# KiCad board gpu-external-power-supply.kicad_pcb (continued)
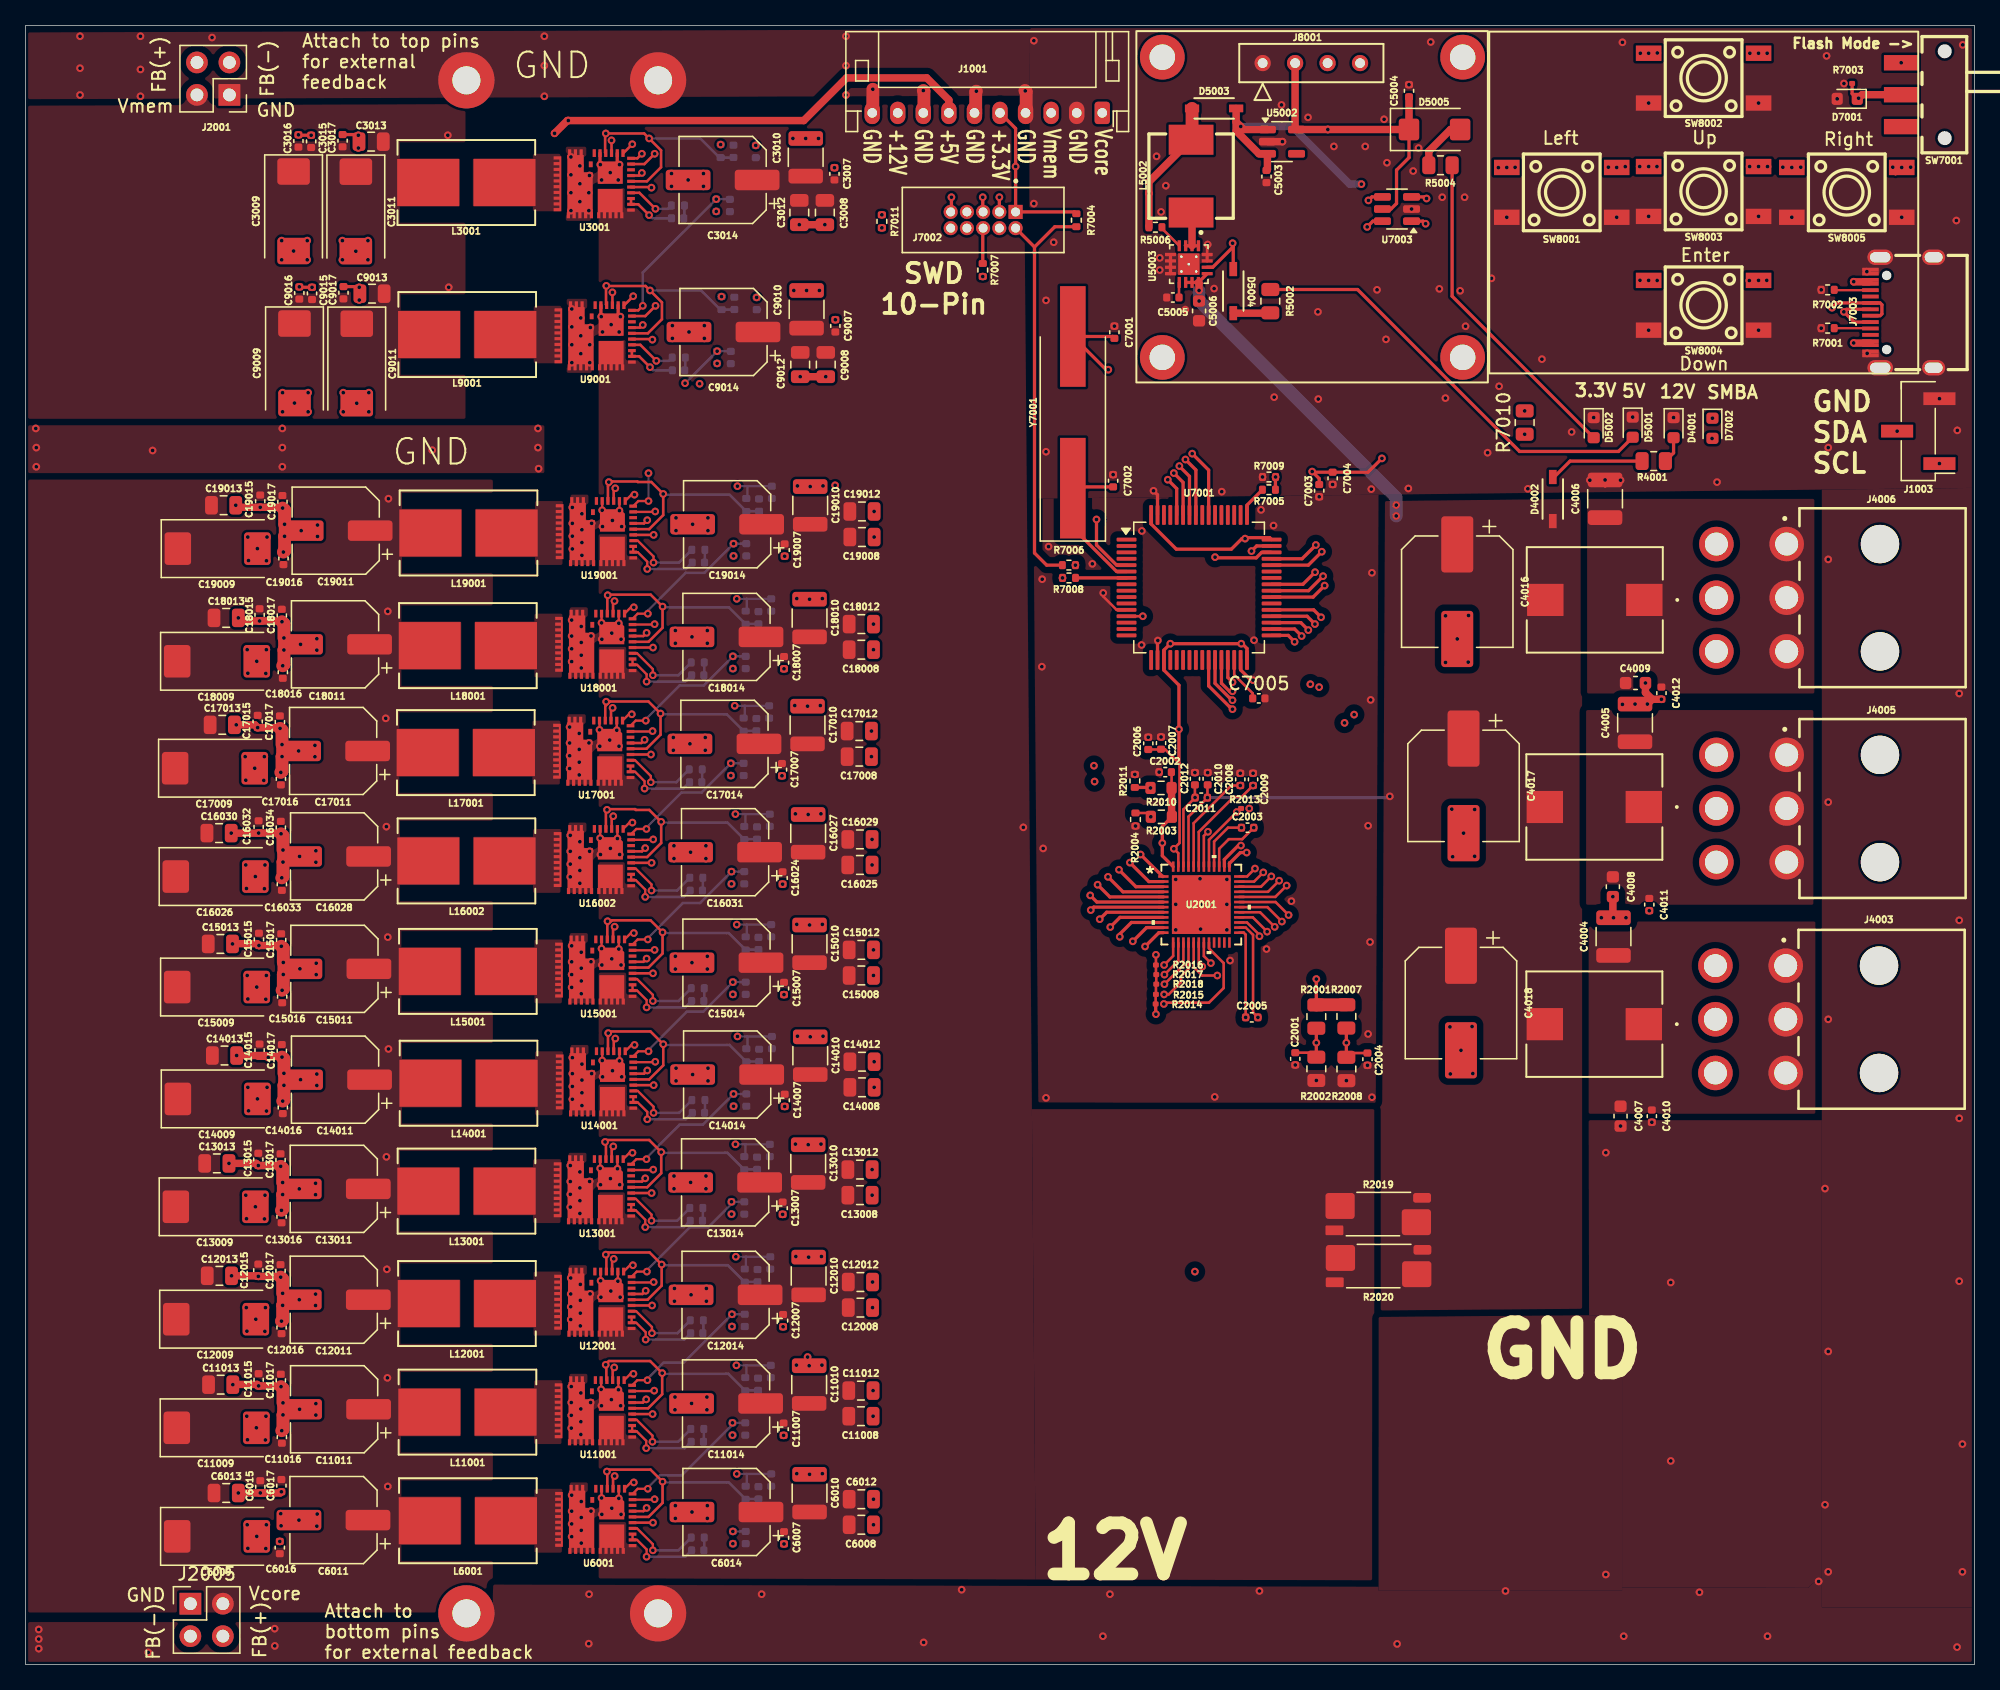
[diagram p0: board, top side]
## Nets (continued)
Net-(U13001-BOOT): R13002.1 U13001.33
Net-(U13001-VCC): C13004.1 R13001.2 U13001.3
Net-(U13001-VSWH): L13001.1 U13001.10
Net-(U14001-BOOT): R14002.1 U14001.33
Net-(U14001-VCC): C14004.1 R14001.2 U14001.3
Net-(U14001-VSWH): L14001.1 U14001.10
Net-(U15001-BOOT): R15002.1 U15001.33
Net-(U15001-VCC): C15004.1 R15001.2 U15001.3
Net-(U15001-VSWH): L15001.1 U15001.10
Net-(U16002-BOOT): R16004.1 U16002.33
Net-(U16002-VCC): C16021.1 R16003.2 U16002.3
Net-(U16002-VSWH): L16002.1 U16002.10
Net-(U17001-BOOT): R17002.1 U17001.33
Net-(U17001-VCC): C17004.1 R17001.2 U17001.3
Net-(U17001-VSWH): L17001.1 U17001.10
Net-(U18001-BOOT): R18002.1 U18001.33
Net-(U18001-VCC): C18004.1 R18001.2 U18001.3
Net-(U18001-VSWH): L18001.1 U18001.10
Net-(U19001-BOOT): R19002.1 U19001.33
Net-(U19001-VCC): C19004.1 R19001.2 U19001.3
Net-(U19001-VSWH): L19001.1 U19001.10

Pads without a net: J7002 7 8; J7003 A8 B8; SW7001 3; U2001 21 22 23 24; U3001 6 37 41; U5002 4; U6001 6 37 41; U7001 1 54; U9001 6 37 41; U11001 6 37 41; U12001 6 37 41; U13001 6 37 41; U14001 6 37 41; U15001 6 37 41; U16002 6 37 41; U17001 6 37 41; U18001 6 37 41; U19001 6 37 41

## Via types
v1: diameter 0.6, hole 0.3, Top to Bottom, 1023 vias

## Routing (per net, layer and track width the routed paths; a pad name or vN(x,y) marks a point on that pad's centre or on a via; arc(x,y) is an arc through that point)
+3.3V: length 307.1
  Top w0.2: U2001.47 90.19,63.5 v1(89.84,63.85) 90.29,64.3 90.29,70.5 89.15,71.64 C2007.1 88.82,71.62 C2006.1 ; 86.14,82.05 v1(87.42,82.05) ; R2014.1 88.42,52.43 R2015.1 88.44,53.22 R2018.1 R2017.1 88.44,54.02 R2016.1 v1(88.44,55.55)
  Top w0.254: v1(106.12,94.41) 105.04,93.32 100.71,93.32 v1(100.67,93.38) 101.21,92.82 C7003.1 ; U7001.32 95.56,79.52 95.19,79.9 v1(95.11,79.9) v1(89.57,79.9) 89.06,79.4 U7001.19 89.06,77.83 90.24,76.65 v1(90.24,73.2) 90.24,70.55 90.29,70.5 ; J1001.5 77.46,120.23 v1(77.46,117.25) J7002.1 82.08,113.7 R7004.1 ; R2014.1 88.42,50.92 v1(88.44,50.9) ; 100.99,53.7 v1(100.99,53.65) R2001.1 ; U7003.5 106.83,113.92 107.27,114.36 107.27,116.97 108.24,117.95 D5005.1 ; U7001.64 88.06,89.27 90.04,87.3 94.34,87.3 95.17,88.12 v1(95.42,88.12) 95.49,88.2 97.34,88.2 U7001.48
  Top w0.58: J8001.2 99.33,120.26 U5002.5 v1(101.89,120.15) D5005.1 C5004.1
  Top w1: R2007.1 101,51.64 R2001.1
  In2.Cu w0.18: v1(67,113.47) 68.87,115.34 76.39,115.34 77.46,114.27 J7002.1
  In2.Cu w0.2: v1(87.42,82.05) v1(89.57,79.9)
  In2.Cu w0.254: v1(77.46,117.25) 78.88,118.67 100.41,118.67 ; v1(95.74,67) 96.57,67.83 96.57,70.22 94.44,72.35 91.09,72.35 90.29,73.15 ; 100.41,118.67 102.68,116.4 102.68,95.39 102.05,94.76 102.05,94.67 101.96,94.67 v1(100.67,93.38) v1(95.42,88.12) 95.11,87.82 v1(95.11,79.9) ; 100.41,118.67 v1(101.89,120.15)
  In4.Cu w0.2: v1(89.84,63.85) 88.44,62.45 v1(88.44,55.55)
  In4.Cu w0.254: v1(146.75,125.38) 148.02,124.11 148.02,116.98 147.77,116.73 147.77,95.94 118.97,95.94 117.7,97.21 108.93,97.21 v1(106.12,94.41) ; v1(91.49,30.75) 88.44,33.8 v1(88.44,50.9) 90.93,50.9 91.48,51.45 99.19,51.45 100.99,53.25 v1(100.99,53.65)
  vias: v1(131.95,95.96)
/+5V: length 456.3
  Top w0.2: U11001.4 45.44,22.3 45.44,23.41 v1(45.39,23.46) 45.39,23.5 45.64,23.75 48.86,23.75 v1(49.81,22.81) 49.81,21.15 48.71,20.05 U11001.35 ; U18001.35 48.74,80.05 49.84,81.15 v1(49.84,82.81) 48.91,83.74 45.59,83.74 v1(45.55,83.69) 45.52,83.66 U18001.4 ; U19001.4 45.56,92.24 45.92,92.6 47.87,92.6 47.91,92.56 48.96,92.56 v1(49.89,91.62) 49.89,89.97 48.79,88.87 U19001.35 ; U13001.4 45.41,40.73 45.34,40.79 v1(45.34,40.9) 45.49,41.05 48.79,41.05 v1(49.73,40.11) 49.73,38.45 48.63,37.35 U13001.35 ; U6001.35 48.74,11.55 49.84,12.65 v1(49.84,14.31) 48.9,15.25 45.63,15.25 v1(45.48,15.1) 45.48,14.96 45.52,14.92 U6001.4 ; U15001.4 45.52,57.92 45.53,57.94 v1(45.53,58.18) 45.81,58.18 45.88,58.25 48.9,58.25 v1(49.84,57.31) 49.84,55.65 48.74,54.55 U15001.35 ; U17001.35 48.58,71.68 49.68,72.78 v1(49.68,74.43) 48.74,75.38 45.72,75.38 45.36,75.01 U17001.4 ; 47.37,116.09 48.62,116.09 49.72,117.2 49.72,118.52 v1(48.79,119.45) 48.4,119.84 v1(45.4,119.84) 45.34,119.79 45.34,118.35 U3001.4 ; 45.41,107.89 v1(45.44,107.91) ; 45.41,107.89 45.43,107.9 48.51,107.9 v1(48.86,107.55) 49.79,106.62 49.79,105.3 48.69,104.19 U9001.35 ; 45.41,107.89 45.41,106.45 U9001.4 ; U12001.4 45.44,31.92 45.4,31.97 v1(45.4,32.08) 45.57,32.25 48.82,32.25 v1(49.77,31.31) 49.77,29.65 48.67,28.55 U12001.35 ; U14001.35 48.79,45.79 49.89,46.9 v1(49.89,48.55) 48.89,49.55 45.72,49.55 v1(45.59,49.42) 45.59,49.19 45.57,49.17 U14001.4 ; U16002.4 45.41,66.81 45.54,66.95 47.69,66.95 47.75,66.89 48.8,66.89 v1(49.73,65.95) 49.73,64.3 48.63,63.2 U16002.35
  Top w0.254: J1001.7 72.24,122.03 ; D5004.1 94.49,111.2 v1(94.44,111.25) 94.44,110.93 92.88,109.36 U5003.14
  Top w0.58: R5006.2 v1(87.89,115.15) 87.89,116.05 L5002.2 ; J1001.7 72.24,122.46 70.51,124.19 64.23,124.19 60.89,120.85 v1(42.46,120.85) 42.39,120.85 v1(41.39,119.85)
  Top w1: L5002.2 91.27,119.42 D5003.2
  In2.Cu w0.254: v1(45.48,15.1) 41.39,15.1 41.39,15.1 ; v1(41.39,119.85) 41.4,119.84 v1(45.4,119.84) ; v1(87.89,115.15) 89.24,115.15 93.14,111.25 v1(94.44,111.25) ; 41.39,23.45 41.4,23.46 v1(45.39,23.46) ; 41.39,40.95 41.44,40.9 v1(45.34,40.9) ; v1(45.63,92.55) 41.59,92.55 41.39,92.35 ; v1(45.59,49.42) 45.55,49.46 41.43,49.46 41.39,49.5 ; v1(45.53,58.18) 41.41,58.18 41.39,58.2 ; v1(45.42,75.36) 45.41,75.35 41.39,75.35 ; v1(45.44,107.91) 41.4,107.91 41.39,107.9 ; 41.39,66.85 41.44,66.9 v1(45.49,66.9) ; 41.39,32.05 41.42,32.08 v1(45.4,32.08) ; 41.39,83.5 41.58,83.69 v1(45.55,83.69) ; J1001.7 72.24,121
  In2.Cu w0.58: v1(87.89,115.15) 78.09,115.15 72.24,121
  In2.Cu w1: v1(41.39,119.85) 41.39,118.9 ; v1(41.39,119.85) 41.39,118.9 ; v1(41.39,119.85) 42.39,120.85 v1(42.46,120.85) ; 41.39,118.9 41.39,15.1
  Bottom w0.2: v1(49.84,14.31) 49.9,14.25 55.02,14.25 R6001.1 56.36,12.95 C6002.1 ; R9001.1 55.44,106.05 C9002.1 ; R9001.1 54.36,106.05 52.86,107.55 v1(48.86,107.55) ; R9001.1 54.46,106.06 ; C18002.1 56.36,81.45 R18001.1 55.02,82.75 49.9,82.75 v1(49.84,82.81) ; v1(49.73,65.95) 49.79,65.9 54.91,65.9 R16003.1 56.25,64.6 C16019.1 ; v1(48.79,119.45) 52.79,119.45 54.29,117.95 R3001.1 ; v1(49.77,31.31) 49.82,31.25 54.95,31.25 R12001.1 56.29,29.95 C12002.1 ; v1(49.81,22.81) 49.86,22.75 54.99,22.75 R11001.1 56.33,21.45 C11002.1 ; v1(49.68,74.43) 49.74,74.38 54.86,74.38 R17001.1 56.2,73.08 C17002.1 ; v1(49.89,48.55) 49.95,48.49 55.08,48.49 R14001.1 56.41,47.2 C14002.1 ; v1(49.73,40.11) 49.79,40.05 54.92,40.05 R13001.1 56.25,38.75 C13002.1 ; v1(49.84,57.31) 49.9,57.25 55.02,57.25 R15001.1 56.36,55.95 C15002.1 ; v1(49.89,91.62) 49.95,91.57 55.07,91.57 R19001.1 56.41,90.27 C19002.1 ; C3002.1 55.37,117.95 R3001.1 ; 54.39,117.96 R3001.1
/+12V: length 47.9
  Top w0.2: U2001.45 90.99,66.37 v1(92.47,67.85) 92.47,68.83 C2010.1
  Top w0.254: U5003.10 U5003.12 U5003.13
  Top w0.58: v1(91.81,107.55) 91.81,108.13 U5003.12
  Bottom w0.254: v1(106.74,67.95) 106.64,67.85 v1(92.47,67.85)
  Bottom w1: 91.89,106.7 91.89,106.67 107.24,91.32 v1(107.24,90.75) v1(107.24,89.9) ; v1(91.81,107.55) v1(91.81,106.72)
GND: length 155.9
  Top w0.18: U13001.2 v1(46.31,38.8) 46.31,38.58 v1(45.76,38.03) v1(44.96,38.83) U13001.5 ; U14001.5 v1(45.12,47.27) v1(45.92,46.47) 46.47,47.02 v1(46.47,47.24) U14001.2 ; U19001.5 v1(45.11,90.35) v1(45.91,89.55) 46.46,90.1 v1(46.46,90.32) U19001.2 ; U15001.5 v1(45.06,56.03) v1(45.86,55.23) 46.41,55.78 v1(46.41,56) U15001.2 ; U18001.5 v1(45.06,81.53) v1(45.86,80.73) 46.41,81.28 v1(46.41,81.5) U18001.2 ; U6001.2 v1(46.41,13) 46.41,12.78 v1(45.86,12.23) v1(45.06,13.03) U6001.5 ; U11001.2 v1(46.38,21.5) 46.38,21.28 v1(45.83,20.73) v1(45.03,21.53) U11001.5 ; U12001.5 v1(44.99,30.03) v1(45.79,29.23) 46.34,29.78 v1(46.34,30) U12001.2 ; U17001.2 v1(46.26,73.13) 46.26,72.91 v1(45.71,72.36) v1(44.91,73.16) U17001.5 ; U16002.2 v1(46.31,64.65) 46.31,64.43 v1(45.76,63.88) v1(44.96,64.68) U16002.5
  Top w0.2: v1(92.49,111.15) 92.45,111.11 U5003.16 ; 123.58,92.19 124.55,93.17 ; v1(84.31,83.88) 84.31,83.6 85.37,82.55 86.14,82.55 ; 124.44,41.97 124.61,41.97 v1(124.79,42.14) ; 124.11,58.94 124.11,58.77
  Top w0.254: U9001.2 46.36,105.67 v1(46.54,105.5) ; 20,47.6 v1(20.06,47.54) ; J7002.5 74.89,113.73 v1(74.89,114.85) ; v1(76.19,114.85) 76.19,113.7 ; C3017.2 25.98,119.75 v1(26.04,119.7) ; U7001.63 88.56,91.56 v1(88.25,91.87) ; v1(45.04,105.5) 45.02,105.52 U9001.5 ; U7001.18 88.56,80.12 v1(88.59,80.15) ; 95.99,77.05 v1(96.04,77.05) 95.87,77.05 95.06,77.85 U7001.31 ; v1(44.97,117.4) 44.94,117.42 U3001.5 ; U3001.2 46.3,117.57 v1(46.47,117.4) ; 19.95,56.28 v1(20.01,56.22) ; v1(21.42,107.83) 21.45,107.8 v1(22.41,107.8) ; v1(18.24,65.08) 18.66,65.08 ; v1(95.92,87.15) 96.31,87.55 U7001.47 ; 19.9,30.38 v1(19.96,30.32) ; 149.21,101.42 J7003.3 ; v1(72.44,114.85) 72.44,113.76 J7002.9 ; C9017.2 26.05,107.85 v1(26.11,107.8) ; 20,81.68 v1(20.06,81.62) ; v1(21.35,119.73) 21.38,119.7 v1(22.34,119.7) ; 18.53,81.68 v1(18.31,81.68) ; 19.9,39.05 v1(19.96,38.99) ; 18.83,47.67 v1(18.99,47.5) ; 19.93,65.08 v1(19.99,65.02) ; U5003.15 U5003.16 ; v1(18.36,13.42) 18.77,13.42 18.77,13.42 ; 19.93,21.8 v1(19.99,21.74) ; 19.85,73.33 v1(19.91,73.27) ; U5003.8 U5003.5 ; 20.05,90.58 v1(20.11,90.52)
  Top w0.58: v1(20.02,13.51) 19.92,13.42 v1(18.36,13.42) ; v1(16.65,81.92) 16.89,81.68 18.53,81.68 ; 16.54,65.07 18.23,65.07 v1(18.24,65.08) 19.93,65.08 ; 19.85,73.33 v1(18.16,73.33) 17.94,73.55 v1(16.49,73.55) ; 16.7,47.67 18.83,47.67 ; 19.95,56.28 v1(18.26,56.28) 18.12,56.42 16.65,56.42 ; 124.21,60.08 v1(124.19,60.1) 124.19,58.5 v1(124.24,58.45) ; v1(18.31,81.68) 20,81.68 ; 16.61,21.92 18.12,21.92 v1(18.24,21.8) 19.93,21.8 ; 127.27,75.55 v1(126.89,75.17) ; 127.27,75.55 v1(127.99,75.55) ; 127.27,75.55 126.74,76.07 v1(126.74,76.82) ; U5002.2 v1(98.34,119.2) ; v1(16.45,90.74) 16.61,90.58 v1(18.36,90.58) 20.05,90.58 ; v1(16.65,13.42) 18.77,13.42 ; 19.9,30.38 v1(18.21,30.38) 18.17,30.42 16.57,30.42 ; v1(60.54,112.7) v1(62.54,112.7) ; C14015.2 20,47.6 ; v1(60.61,100.8) v1(62.61,100.8) ; 19.9,39.05 v1(18.21,39.05) 18.04,39.22 v1(15.91,39.22)
  Top w1: v1(74.39,123.15) 74.34,123.1 74.34,121.4 74.29,121.35 74.29,121.1 ; v1(19.99,21.74) 20.14,21.59 v1(20.14,20.47) ; v1(20.06,72) 20.06,73.12 v1(19.91,73.27) ; v1(21.52,79.85) 20.66,79.85 v1(20.21,79.41) 20.21,78.27 v1(20.12,78.17) ; v1(21.44,19.97) 20.58,19.97 v1(20.14,19.53) 20.14,18.39 v1(20.05,18.3) ; v1(21.39,11.3) 21.39,11.13 ; v1(20.12,44.1) 20.21,44.19 v1(20.21,45.33) 20.66,45.77 v1(21.52,45.77) ; v1(20.02,26.87) 20.11,26.97 v1(20.11,28.11) 20.56,28.55 v1(21.41,28.55) ; v1(21.36,71.5) 20.51,71.5 v1(20.06,71.06) 20.06,69.92 v1(19.97,69.83) ; v1(19.99,65.02) 20.14,64.87 v1(20.14,63.75) ; v1(70.24,123.2) 70.29,123.15 70.29,121.1 ; v1(20.11,37.72) 20.11,38.84 v1(19.96,38.99) ; v1(20.06,47.54) 20.21,47.39 v1(20.21,46.27) ; 78.19,123.2 v1(78.21,123.17) 78.29,123.1 78.29,121.1 ; v1(20.27,89.25) 20.27,90.37 v1(20.11,90.52) ; v1(20.11,29.05) 20.11,30.17 v1(19.96,30.32) ; v1(20.01,56.22) 20.16,56.07 v1(20.16,54.95) ; v1(20.17,87.07) 20.27,87.17 v1(20.27,88.31) 20.71,88.75 v1(21.56,88.75) ; v1(21.46,54.45) 20.61,54.45 v1(20.16,54.01) 20.16,52.87 v1(20.07,52.77) ; 66.29,121.1 v1(66.29,123.3) ; v1(20.21,80.35) 20.21,81.47 v1(20.06,81.62) ; v1(21.44,63.25) 20.58,63.25 v1(20.14,62.81) 20.14,61.67 v1(20.05,61.57) ; v1(20.02,35.55) 20.11,35.64 v1(20.11,36.78) 20.56,37.22 v1(21.41,37.22)
  Bottom w0.2: 57.46,106.06 57.45,106.05 ; 57.39,117.96 57.38,117.95
  vias: v1(0.8,96.75) v1(0.84,95.25) v1(0.84,93.75) v1(1.03,2.74) v1(1.03,1.99) v1(1.03,1.24) v1(4.26,127.45) v1(4.26,124.95) v1(4.26,122.85) v1(8.99,127.45) v1(8.99,124.85) v1(8.99,122.75) v1(9.59,0.94) v1(9.94,95.02) v1(14.59,127.35) v1(16.09,65.07) v1(16.11,30.42) v1(16.19,56.4) v1(16.21,21.9) v1(16.52,47.67) v1(17.18,71.06) v1(17.23,69.22) v1(17.23,62.58) v1(17.28,60.74) v1(17.23,36.73) v1(17.29,34.89) v1(17.27,27.93) v1(17.31,19.43) v1(17.39,88.25) v1(17.34,79.43) v1(17.39,77.59) v1(17.34,53.93) v1(17.39,52.09) v1(17.39,45.18) v1(17.32,26.09) v1(17.36,17.59) v1(17.34,10.93) v1(17.39,9.09) v1(17.44,86.41) v1(17.45,43.33) v1(17.93,70.15) v1(17.98,61.67) v1(17.98,35.83) v1(18.09,78.52) v1(18.09,53.02) v1(18.02,27.02) v1(18.06,18.52) v1(18.09,10.02) v1(18.14,87.34) v1(18.14,44.27) v1(18.68,71.06) v1(18.64,69.2) v1(18.69,60.72) v1(18.69,34.87) v1(18.8,77.57) v1(18.73,62.58) v1(18.8,52.07) v1(18.73,36.73) v1(18.77,27.93) v1(18.72,26.07) v1(18.81,19.43) v1(18.77,17.57) v1(18.8,9.07) v1(18.89,88.25) v1(18.85,86.39) v1(18.84,79.43) v1(18.84,53.93) v1(18.89,45.18) v1(18.85,43.32) v1(18.84,10.93) v1(19.49,2.8) v1(19.5,1.45) v1(19.89,9.63) v1(19.96,11.8) v1(19.99,10.85) v1(20.04,111.45) v1(20.04,109.95) v1(20.11,99.55) v1(20.11,98.05) v1(20.09,96.75) v1(20.09,95.25) v1(20.09,93.75) v1(20.97,110.64) v1(21.04,98.74) v1(22.04,111.45) v1(22.04,109.95) v1(22.11,99.55) v1(22.11,98.05) v1(22.64,71.94) v1(22.64,71.05) v1(22.69,37.66) v1(22.69,36.77) v1(22.69,28.99) v1(22.69,28.1) v1(22.79,80.29) v1(22.79,79.4) v1(22.72,63.69) v1(22.72,62.8) v1(22.74,54.89) v1(22.74,54) v1(22.79,46.21) v1(22.79,45.32) v1(22.72,20.41) v1(22.72,19.52) v1(22.79,10.82) v1(22.84,89.19) v1(22.84,88.3) v1(22.81,11.78) v1(24.79,111.45) v1(24.79,109.95) v1(24.86,99.55) v1(24.86,98.05) v1(25.84,110.62) v1(25.91,98.72) v1(26.04,118.7) v1(26.11,106.8) v1(26.79,111.45) v1(26.79,109.95) v1(26.86,99.55) v1(26.86,98.05) v1(31.81,95.05) v1(40.09,96.75) v1(40.09,95.25) v1(40.14,93.6) v1(40.59,127.45) v1(40.59,125.15) v1(40.59,122.75) v1(42.57,73.38) v1(42.57,72.13) v1(42.57,71.13) v1(42.57,70.13) v1(42.67,118) v1(42.67,116.6) v1(42.67,115.2) v1(42.67,113.8) v1(42.62,64.9) v1(42.62,63.65) v1(42.62,62.65) v1(42.62,61.65) v1(42.62,39.05) v1(42.62,37.8) v1(42.62,36.8) v1(42.62,35.8) v1(42.66,30.25) v1(42.66,29) v1(42.66,28) v1(42.66,27) v1(42.7,21.75) v1(42.7,20.5) v1(42.7,19.5) v1(42.7,18.5) v1(42.74,106.1) v1(42.74,104.7) v1(42.74,103.3) v1(42.74,101.9) v1(42.78,90.57) v1(42.78,89.32) v1(42.78,88.32) v1(42.78,87.32) v1(42.73,81.75) v1(42.73,80.5) v1(42.73,79.5) v1(42.73,78.5) v1(42.73,56.25) v1(42.73,55) v1(42.73,54) v1(42.73,53) v1(42.78,47.49) v1(42.78,46.24) v1(42.78,45.24) v1(42.78,44.24) v1(42.73,13.25) v1(42.73,12) v1(42.73,11) v1(42.73,10) v1(43.37,117.3) v1(43.37,115.9) v1(43.37,114.5) v1(43.32,72.88) v1(43.32,71.63) v1(43.32,70.63) v1(43.32,69.63) v1(43.37,64.4) v1(43.37,63.15) v1(43.37,62.15) v1(43.37,61.15) v1(43.37,38.55) v1(43.37,37.3) v1(43.37,36.3) v1(43.37,35.3) v1(43.41,29.75) v1(43.41,28.5) v1(43.41,27.5) v1(43.41,26.5) v1(43.44,105.4) v1(43.44,104) v1(43.44,102.6) v1(43.48,81.25) v1(43.48,80) v1(43.48,79) v1(43.48,78) v1(43.48,55.75) v1(43.48,54.5) v1(43.48,53.5) v1(43.48,52.5) v1(43.45,21.25) v1(43.45,20) v1(43.45,19) v1(43.45,18) v1(43.48,12.75) v1(43.48,11.5) v1(43.48,10.5) v1(43.48,9.5) v1(43.53,90.07) v1(43.53,88.82) v1(43.53,87.82) v1(43.53,86.82) v1(43.53,46.99) v1(43.53,45.74) v1(43.53,44.74) v1(43.53,43.74) v1(44.07,115.2) v1(44.07,113.8) v1(44.08,72.13) v1(44.09,5.5) v1(44.06,1.62) v1(44.12,116.55) v1(44.19,104.65) v1(44.14,103.3) v1(44.14,101.9) v1(44.13,63.65) v1(44.13,37.81) v1(44.17,29) v1(44.21,20.5) v1(44.29,89.32) v1(44.24,80.5) v1(44.24,55) v1(44.29,46.25) v1(44.24,12) v1(44.93,71.88) v1(44.98,63.4) v1(44.98,37.55) v1(45.07,116.2) v1(45.09,80.25) v1(45.09,54.75) v1(45.02,28.75) v1(45.06,20.25) v1(45.09,11.75) v1(45.14,104.3) v1(45.14,89.07) v1(45.14,45.99) v1(45.74,116.77) v1(45.81,104.88) v1(46.37,116.2) v1(46.44,104.3) v1(46.43,71.88) v1(46.48,63.4) v1(46.48,37.55) v1(46.59,80.25) v1(46.59,54.75) v1(46.52,28.75) v1(46.56,20.25) v1(46.59,11.75) v1(46.64,89.07) v1(46.64,45.99) v1(50.54,116.7) v1(50.54,115.7) v1(50.61,104.8) v1(50.61,103.8) v1(50.68,72.56) v1(50.68,71.56) v1(50.73,64.08) v1(50.73,63.08) v1(50.73,38.23) v1(50.73,37.23) v1(50.77,29.43) v1(50.77,28.43) v1(50.81,20.93) v1(50.81,19.93) v1(50.89,89.75) v1(50.89,88.75) v1(50.84,80.93) v1(50.84,79.93) v1(50.84,55.43) v1(50.84,54.43) v1(50.89,46.68) v1(50.89,45.68) v1(50.84,12.43) v1(50.84,11.43) v1(51.84,116.2) v1(51.91,104.3) v1(51.98,72.06) v1(52.03,63.58) v1(52.03,37.73) v1(52.07,28.93) v1(52.11,20.43) v1(52.19,89.25) v1(52.14,80.43) v1(52.14,54.93) v1(52.19,46.18) v1(52.14,11.93) v1(53.04,116.7) v1(53.04,115.7) v1(53.11,104.8) v1(53.11,103.8) v1(53.18,72.56) v1(53.18,71.56) v1(53.23,64.08) v1(53.23,63.08) v1(53.23,38.23) v1(53.23,37.23) v1(53.27,29.43) v1(53.27,28.43) v1(53.31,20.93) v1(53.31,19.93) v1(53.39,89.75) v1(53.39,88.75) v1(53.34,80.93) v1(53.34,79.93) v1(53.34,55.43) v1(53.34,54.43) v1(53.39,46.68) v1(53.39,45.68) v1(53.34,12.43) v1(53.34,11.43) v1(57.59,5.5) v1(59.18,69.56) v1(59.23,61.08) v1(59.23,35.23) v1(59.27,26.43) v1(59.31,17.93) v1(59.39,86.75) v1(59.34,77.93) v1(59.34,52.43) v1(59.39,43.68) v1(59.34,9.43) v1(60.04,119.45) v1(60.11,107.55) v1(60.18,75.06) v1(60.23,66.58) v1(60.23,40.73) v1(60.27,31.93) v1(60.31,23.43) v1(60.39,92.25) v1(60.34,83.43) v1(60.34,57.93) v1(60.39,49.18) v1(60.34,14.93) v1(61.04,119.45) v1(61.11,107.55) v1(61.18,75.01) v1(61.19,24.06) v1(61.23,66.53) v1(61.23,40.68) v1(61.27,31.88) v1(61.31,23.38) v1(61.39,92.2) v1(61.34,83.38) v1(61.34,57.88) v1(61.39,49.13) v1(61.34,14.88) v1(62.04,119.45) v1(62.11,107.55) v1(62.18,75.06) v1(62.23,66.58) v1(62.23,40.73) v1(62.27,31.93) v1(62.31,23.43) v1(62.39,92.25) v1(62.34,83.43) v1(62.34,57.93) v1(62.39,49.18) v1(62.34,14.93) v1(63.29,117.16) v1(63.36,105.26) v1(64.19,127.45) v1(64.19,125.15) v1(64.19,122.85) v1(66.18,73.06) v1(66.18,71.06) v1(66.23,64.58) v1(66.23,62.58) v1(66.23,38.74) v1(66.23,36.73) v1(66.27,29.93) v1(66.27,27.93) v1(66.31,21.43) v1(66.31,19.43) v1(66.39,90.25) v1(66.39,88.25) v1(66.34,81.43) v1(66.34,79.43) v1(66.34,55.93) v1(66.34,53.93) v1(66.39,47.18) v1(66.39,45.18) v1(66.34,12.93) v1(66.34,10.93) v1(70.27,1.72) v1(73.24,5.85) v1(78.89,127.1) v1(78.89,114.35) v1(79.54,84.95) v1(79.52,78.1) v1(79.61,63.88) v1(79.84,106.77) v1(79.84,94.92) v1(79.84,44.35) v1(80.04,87.5) v1(80.44,111.32) v1(83.46,86.15) v1(84.29,2.21) v1(84.84,5.5) v1(85.09,93.13) v1(85.19,104.76) v1(86.79,69.67) v1(86.84,65.63) v1(87.31,79.8) v1(87.34,88.72) v1(87.84,72.58) v1(88.49,118.05) v1(88.69,69.85) v1(88.74,110.1) v1(88.74,109.15) v1(88.84,113.7) v1(88.84,72.6) v1(89.21,115.75) v1(89.99,61.45) v1(89.99,59.5) v1(89.99,57.5) v1(90.74,106.05) v1(91.49,69.81) v1(91.89,61.5) v1(91.99,59.48) v1(91.93,57.56) v1(92.49,69.81) v1(92.99,107.7) v1(93.04,44.42) v1(93.59,91.8) v1(93.99,61.45) v1(93.99,59.5) v1(93.99,57.5) v1(94.24,55.1) v1(95.04,69.76) v1(96.11,80.17) v1(96.04,69.76) v1(96.54,5.75) v1(96.67,90.38) v1(96.78,92.95) v1(97.09,56) v1(97.69,99.2) v1(97.64,89.15) v1(98.27,122.07) v1(99.04,59.75) v1(99.34,46.92) v1(100.34,121.1) v1(100.99,45.71) v1(101.11,105.88) v1(101.14,99.05) v1(101.21,91.4) v1(102.27,92.36) v1(102.36,118.82) v1(103.34,45.7) v1(104.81,118.82) v1(104.99,46.9) v1(105.04,65.65) v1(105.04,49.35) v1(105.19,56.55) v1(105.29,92) v1(105.24,75.5) v1(105.34,85.45) v1(105.34,44.4) v1(105.74,107.6) v1(106.29,120.95) v1(106.44,103.72) v1(106.52,117.55) v1(107.31,1.61) v1(108.19,92.05) v1(108.24,123.66) v1(108.44,113.92) v1(108.56,116.9) v1(108.99,118.7) v1(109.94,127) v1(110.61,107.67) v1(110.84,114.85) v1(111.09,99.12) v1(111.1,82.08) v1(111.1,78.43) v1(111.44,49.9) v1(111.47,46.22) v1(111.59,66.95) v1(111.65,63.22) v1(112.02,80.27) v1(112.24,107.52) v1(112.31,48.07) v1(112.51,65.07) v1(112.59,114.85) v1(112.67,104.75) v1(112.9,82.11) v1(112.87,78.46) v1(113.17,49.93) v1(113.23,46.25) v1(113.38,66.92) v1(113.38,63.26) v1(114.39,94.85) v1(114.69,108.5) v1(115.29,100.05) v1(115.79,5.75) v1(115.89,113.28) v1(117.54,92.02) v1(118.64,102.17) v1(120.96,96.47) v1(122.39,92.7) v1(122.69,97.6) v1(123.29,58.45) v1(123.58,92.72) v1(123.64,40.06) v1(123.64,7.04) v1(124.49,113.28) v1(124.79,92.7) v1(124.94,126.97) v1(124.94,75.15) v1(125.04,2.21) v1(125.21,58.45) v1(125.74,97.64) v1(125.92,75.18) v1(126.99,122.22) v1(126.99,113.35) v1(126.99,104.44) v1(127.04,59) v1(127.24,42.44) v1(128.72,29.9) v1(128.72,15.93) v1(128.94,97.6) v1(130.96,5.65) v1(132.34,92.55) v1(135.59,122.22) v1(135.59,113.35) v1(135.59,104.44) v1(136.29,2.21) v1(138.19,113.28) v1(140.29,6.5) v1(140.49,107.6) v1(140.49,104.6) v1(140.79,37.25) v1(140.79,12.5) v1(140.91,125.91) v1(141.04,95.25) v1(141.04,86.5) v1(141.04,67.5) v1(141.04,50.5) v1(141.04,24.5) v1(141.04,7.25) v1(141.74,122.55) v1(142.27,123.75) v1(144.06,109.02) v1(144.09,102.63) v1(146.79,113.28) v1(149.74,99.08) v1(151.06,113.02) v1(151.14,96.6) v1(151.12,1.36) v1(151.29,76) v1(151.29,58.25) v1(151.29,42.75) v1(151.29,30) v1(151.56,126.77) v1(151.54,17.25) v1(151.54,7.25)
VBUS: length 69.2
  Top w0.58: D5003.1 94.71,120.75 ; 94.71,120.75 94.71,120.04 96.5,118.25 U5002.3 97.17,117.02 C5003.1 ; 94.71,120.75 v1(95.08,120.39) 95.31,120.15 U5002.1 ; 143.12,103.43 144.34,103.43 ; 143.03,108.23 144.22,108.23
  In4.Cu w0.58: v1(104.52,115.88) 130.54,115.88 136.17,110.25 141.08,110.25 143.03,108.3 v1(143.03,103.44)
  Bottom w0.58: v1(95.08,120.39) 99.08,120.39 103.59,115.88 v1(104.52,115.88)
  vias: v1(143.04,108.24)
/U Controller/BOOT0: length 79.9
  Top w0.254: D7001.1 142.91,122.95 R7003.2 ; U7001.60 90.06,92.04 v1(89.37,92.74)
  Top w0.58: v1(143.42,122.6) 143.69,122.88 SW7001.2
  In4.Cu w0.254: v1(89.37,92.74) 89.31,92.79 89.31,96.2 103.59,110.47 103.59,116.35 108.49,121.25 142.06,121.25 v1(143.42,122.6) 143.44,122.62
/U Controller/NRST: length 4
  Top w0.254: 86.14,85.05 R7008.2
/U Controller/OSC_IN: length 24.3
  Top w0.254: C7001.2 85.04,103.95 Y7001.2 84.54,101.35 v1(84.71,101.35) ; v1(83.79,89.62) 83.79,87.63 85.37,86.05 86.14,86.05
  In4.Cu w0.254: v1(83.79,89.62) 83.84,89.67 83.84,100.47 v1(84.71,101.35)
/U Controller/OSC_OUT: length 11.9
  Top w0.254: 86.14,85.55 85.37,85.55 81.94,88.98 Y7001.1 82.04,92.17 C7002.2
/U Controller/SWCLK: length 2.5
  Top w0.254: U7001.49 95.56,90.74 R7005.2
/U Controller/SWDIO: length 15.8
  Top w0.254: U7001.46 96.72,87.05 96.29,86.62 93.12,86.62 v1(93.06,86.68)
  In2.Cu w0.254: v1(82.14,86.05) 82.77,86.68 v1(93.06,86.68)
/U Controller/SWO: length 29.6
  Top w0.254: U7001.55 92.56,93.49 v1(91.28,94.78)
  In2.Cu w0.254: v1(74.89,108.64) 74.89,105.02 82.39,97.52 88.53,97.52 v1(91.28,94.78)
/VRM Controller/ADDR_CONFIG: length 10.5
  Top w0.2: U2001.42 92.19,64.86 v1(92.51,65.18)
  Top w0.254: v1(88.02,68.61) 87.98,68.65 R2011.1
  In2.Cu w0.2: 92.51,65.28 v1(92.51,65.18) 90.81,65.18 88.02,67.97 v1(88.02,68.61)
/VRM Controller/CSNIN: length 21.4
  Top w0.2: U2001.46 90.59,66.93 C2011.2 v1(91.5,67.86) 91.49,67.87 C2012.1 ; 91.44,68.85 91.44,68.72
  In4.Cu w0.254: v1(91.5,67.86) 80.4,67.86 v1(78.06,65.52) 78.02,65.47
/VRM Controller/Cur_A_1: length 84.8
  Top w0.18: v1(49.21,12.93) 49.18,12.9 U6001.38
  Top w0.2: v1(96.54,57) 96.54,57.1 95.56,58.08 U2001.27
  In2.Cu w0.2: v1(96.54,57) 96.24,56.7 87.38,56.7 87.09,56.41 87.09,36.44 59.56,8.91 55.89,8.91 v1(55.34,9.45)
  In4.Cu w0.2: v1(49.21,12.93) 49.21,12.35 52.11,9.45 v1(55.34,9.45)
/VRM Controller/Cur_A_2: length 78.7
  Top w0.18: v1(49.18,21.43) 49.15,21.4 U11001.38
  Top w0.2: U2001.28 96.02,58.48 v1(97.14,57.36)
  In2.Cu w0.2: v1(97.14,57.36) 97,57.5 94.7,57.5 94.2,57 87.24,57 87.02,57.22 86.49,57.22 86.09,56.82 86.09,43.97 59.53,17.41 55.86,17.41 v1(55.31,17.95)
  In4.Cu w0.2: v1(55.31,17.95) 52.08,17.95 49.18,20.85 v1(49.18,21.43)
/VRM Controller/Cur_A_3: length 75.6
  Top w0.18: v1(49.14,29.93) 49.11,29.9 U12001.38
  Top w0.2: v1(97.73,57.73) 96.59,58.88 U2001.29
  In2.Cu w0.2: v1(97.73,57.73) 97.41,58.06 91.73,58.06 91.72,58.05 85.93,58.05 85.39,57.5 85.39,57.5 84.99,57.1 84.99,45.95 64.95,25.91 55.81,25.91 v1(55.27,26.45)
  In4.Cu w0.2: v1(55.27,26.45) 52.04,26.45 49.14,29.35 v1(49.14,29.93)
/VRM Controller/Cur_A_4: length 70.2
  Top w0.18: U13001.38 49.08,38.7 v1(49.11,38.73)
  Top w0.2: v1(98.29,58.15) 97.17,59.28 U2001.30
  In2.Cu w0.2: 98.23,58.21 98.09,58.36 84.8,58.36 84.25,57.81 84.25,51.66 84.24,51.65 84.24,51.45 67.5,34.71 55.78,34.71 v1(55.23,35.25)
  In4.Cu w0.2: v1(55.23,35.25) 52.01,35.25 49.11,38.15 v1(49.11,38.73)
/VRM Controller/Cur_A_5: length 64.2
  Top w0.18: U14001.38 49.24,47.14 v1(49.27,47.18)
  Top w0.2: U2001.31 97.8,59.68 v1(98.82,58.66)
  In2.Cu w0.2: v1(55.39,43.7) 55.94,43.15 68.15,43.15 83.85,58.85 84.25,58.85 84.44,58.66 v1(98.82,58.66)
  In4.Cu w0.2: v1(49.27,47.18) 49.27,46.6 52.17,43.7 v1(55.39,43.7)
/VRM Controller/Cur_A_6: length 61.6
  Top w0.18: U15001.38 49.18,55.9 v1(49.21,55.93)
  Top w0.2: U2001.32 97.78,60.08 v1(98.67,60.97)
  In2.Cu w0.2: v1(98.67,60.97) 96.66,58.96 85.79,58.96 85.05,59.7 83.28,59.7 75.49,51.91 55.89,51.91 v1(55.34,52.45)
  In4.Cu w0.2: v1(49.21,55.93) 49.21,55.35 52.11,52.45 v1(55.34,52.45)
/VRM Controller/Cur_A_7: length 57.1
  Top w0.18: U16002.38 49.07,64.55 v1(49.1,64.58)
  Top w0.2: v1(98.08,61.35) 97.21,60.48 U2001.33
  In2.Cu w0.2: v1(98.08,61.35) 96.73,60 84.2,60 83.5,60.7 59.6,60.7 59.45,60.55 55.78,60.55 v1(55.23,61.1)
  In4.Cu w0.2: v1(49.1,64.58) 49.1,64 52,61.1 v1(55.23,61.1)
/VRM Controller/Cur_A_8: length 59.4
  Top w0.18: U17001.38 49.02,73.03 v1(49.06,73.06)
  Top w0.2: U2001.34 96.66,60.88 v1(97.47,61.69)
  In2.Cu w0.2: v1(55.18,69.58) 55.73,69.03 77.01,69.03 84.18,61.87 84.18,61.44 85.32,60.3 96.08,60.3 v1(97.47,61.69)